# KiCad board motordriver.kicad_pcb (continued)
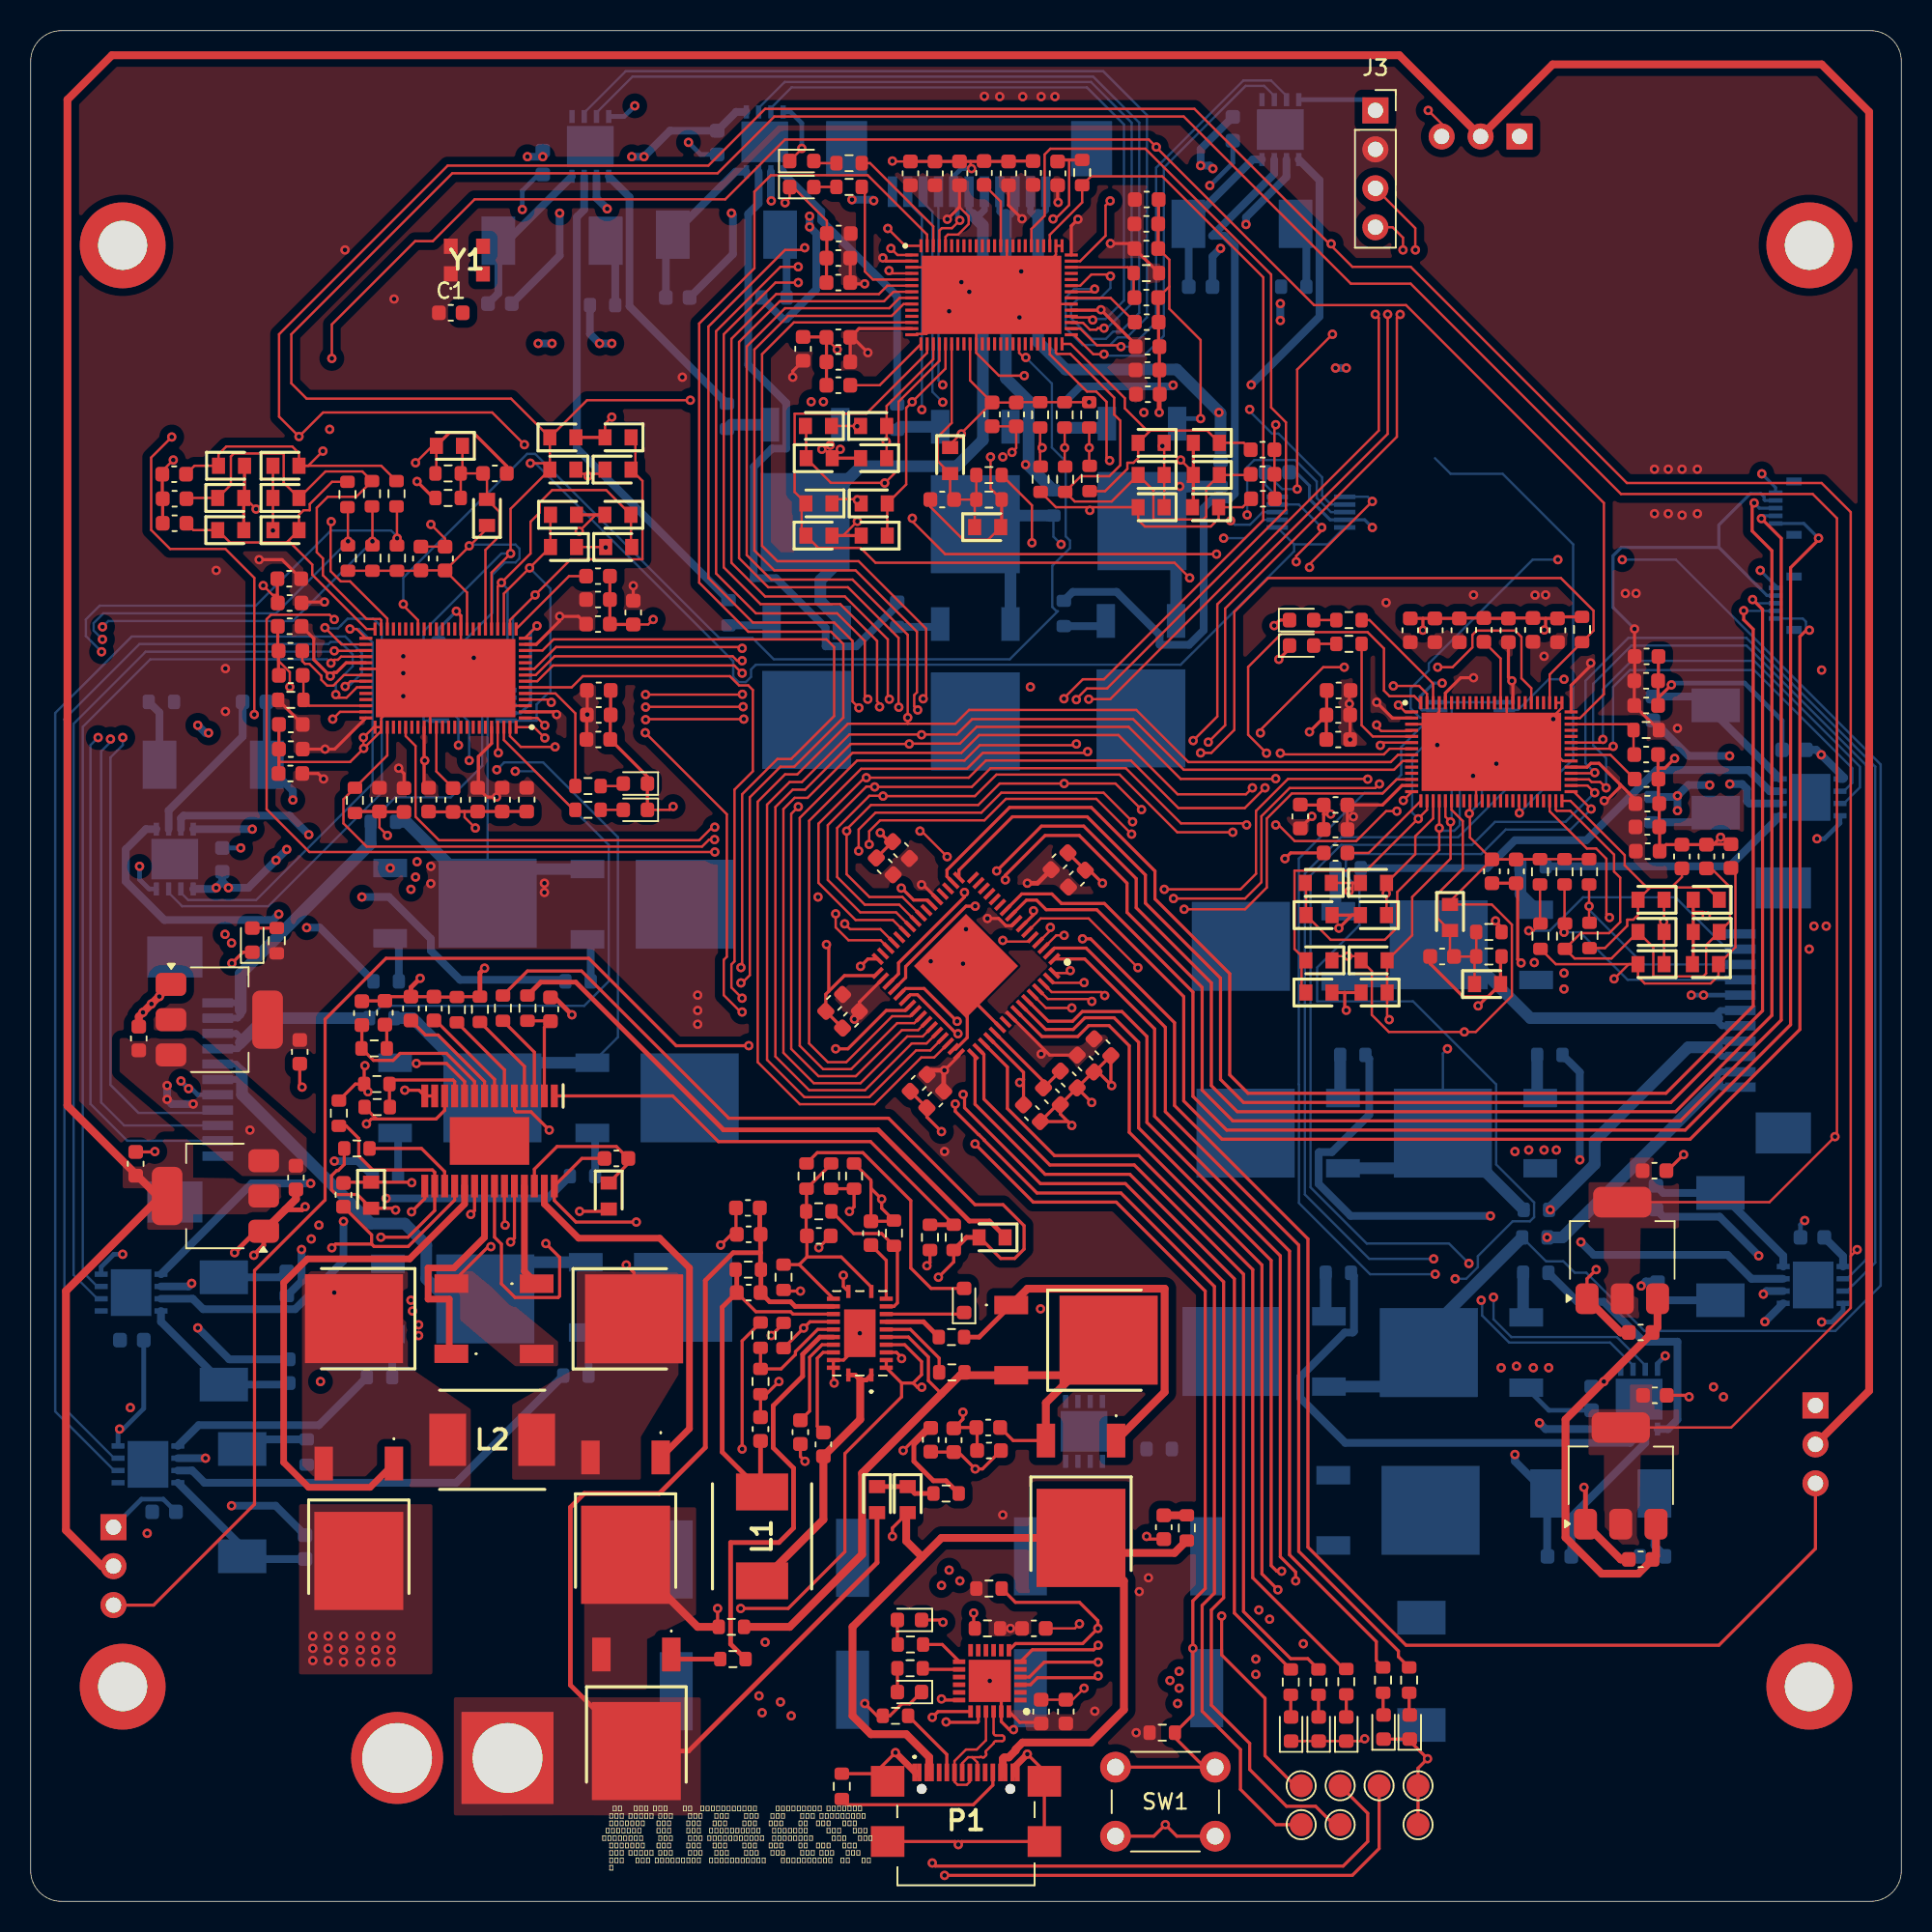
[diagram p0: board, top side]
## Routing (per net, layer and track width the routed paths; a pad name or vN(x,y) marks a point on that pad's centre or on a via; arc(x,y) is an arc through that point) (continued)
  Bottom w0.152: v1(91.5,41.9) 87.3,41.9 83.1,46.1 83.1,67.04 85.46,69.4 93.1,69.4 97.08,73.38 97.08,77.13 97,77.2 IC16.8
  Bottom w0.432: J5.8 110.2,56.1 110,55.9 110,55.4 110.3,55.1 J5.9
  Bottom w0.762: R111.1 102,48.08 102,49.6 108.1,55.7 110,55.7
/gates3/PHASE_W: length 26.8
  Bottom w0.432: J5.6 110.2,58.1 110,57.9 110,57.4 110.3,57.1 J5.7
  Bottom w0.762: 93.03,62.38 97.81,57.6 110,57.6 ; Q25.3 89.44,59.99
/gates3/PWM_U_H: length 75
  Top w0.152: v1(101.77,71.24) 100.64,72.37
  In2.Cu w0.152: v1(94.6,39.2) 94.3,39.5 94,39.5 v1(92.9,40.6)
  Bottom w0.152: v1(101.77,71.24) 100.43,69.9 96.2,69.9 94.6,68.3 86.21,68.3 85.77,67.86 85.77,66.9 86.66,66.02 86.66,63.66 83.9,60.9 83.9,58.69 90.16,58.69 95.58,53.28 95.58,48.05 98.05,45.58 98.05,44.62 97.78,44.35 96.65,44.35 94.38,42.08 94.38,41.36 93.62,40.6 v1(92.9,40.6) ; v1(94.6,39.2) 94.66,39.14 94.66,38.2 96.42,36.45 103,36.45 104.5,34.95
/gates3/PWM_U_L: length 70.7
  Top w0.152: U8.40 101.53,72.77 v1(102,72.3)
  In2.Cu w0.152: v1(95.4,39.4) 95.4,40 v1(93.8,41.6)
  Bottom w0.152: v1(95.4,39.4) 95.4,37.96 96.56,36.8 103.45,36.8 105.3,34.95 ; v1(102,72.3) 100.1,70.4 95.5,70.4 94,68.9 85.46,68.9 83.47,66.91 83.47,46.57 87.14,42.9 92.5,42.9 v1(93.8,41.6)
/gates3/PWM_V_H: length 65.7
  Top w0.152: U8.41 101.63,73.17 101.8,73 102.36,73 v1(102.74,72.62)
  Bottom w0.152: v1(102.74,72.62) 102.74,74.56 101.9,75.4 101.9,79.4 104.4,81.9 111.9,81.9 119.7,74.1 119.7,41.85 118.45,40.6
/gates3/PWM_V_L: length 66.3
  Top w0.152: v1(102.01,73.61) 101.96,73.57 U8.42
  Bottom w0.152: 118.45,39.8 120.3,41.65 120.3,74 111.9,82.4 104.2,82.4 101.4,79.6 101.4,74.22 v1(102.01,73.61)
/gates3/PWM_W_H: length 27.1
  Top w0.152: v1(103.21,75.32) 103.05,75.17 U8.46
  Bottom w0.152: 118.25,72.4 118.8,72.95 118.8,73.9 112.4,80.3 104.3,80.3 103.2,79.2 103.2,75.33 v1(103.21,75.32)
/gates3/PWM_W_L: length 28.6
  Top w0.152: v1(102.54,75.78) 102.33,75.57 U8.47
  Bottom w0.152: v1(102.54,75.78) 102.54,79.04 104.4,80.9 112.4,80.9 119.3,74 119.3,72.65 118.25,71.6
/IO/BATTVIN: length 77.9
  Top w0.305: IC5.15 49.86,38.8 49.56,39.1 48.2,39.1 C25.2 ; 47.6,42.3 47.6,41.22 ; 47.6,42.3 45.81,42.3 44,40.49 44,29.6 41,26.6 36.1,26.6 35.2,25.7 35.2,14.1 Q9.2 42.91,9.8 55.2,22.09 D4.2 ; 47.6,42.3 C29.1 ; R27.1 47.62,39.72 ; C27.1 47.55,43.55
/IO/BRAKE1: length 88.9
  Top w0.203: v1(46.83,55.81) 46.83,55.8 42.1,55.8 36.4,61.5 23.17,61.5 19.2,57.53 19.2,45.74 14.6,41.14 14.6,25.9 8.02,19.32 S1.3 ; IC7.39 57.04,58.1 55.8,58.1 53.3,55.6 v1(52.5,55.6)
  In2.Cu w0.203: v1(52.5,55.6) 52.29,55.81 v1(46.83,55.81)
/IO/BRAKE2: length 97.5
  Top w0.152: S2.3 92.02,115.92 v1(91.14,116.8) ; IC7.40 57.37,57.72 56.18,57.72 53.19,54.73 51.99,54.73 50.77,55.95 50.77,70.47 54.16,73.86 61.06,73.86 62.1,74.9 68.85,74.9 v1(68.93,74.98) ; v1(87.69,103.5) 87.92,103.27 87.92,95.92 70.4,78.4 v1(69,78.4)
  In1.Cu w0.152: v1(91.14,116.8) 89.2,114.86 89.2,108.9 88.9,108.6 88.9,104.72 87.69,103.51 v1(87.69,103.5)
  In2.Cu w0.152: v1(69,78.4) 69,78.4 69,75.05 v1(68.93,74.98)
/IO/BRAKE3: length 106
  Top w0.203: IC7.32 54.6,61.46 v1(54.12,60.98) ; S3.3 116.4,23 110.1,16.7 89.7,16.7 83.3,23.1 83.3,43.2 74.6,51.9 74.6,57.3 69.13,62.77 v1(68.6,62.77)
  In1.Cu w0.203: v1(54.12,60.98) 55.06,61.91 60.9,61.91 61.81,61 66.82,61 v1(68.6,62.77)
/IO/D+: length 7.8
  Top w0.152: 61.4,9.4 61.75,9.05 P1.B6 ; 61.4,9.4 61.14,9.4 60.75,9.01 P1.A6 ; 61.4,9.4 61.9,9.4 arc(61.97,9.43) 62.04,9.4 arc(62.11,9.37) 62.18,9.4 62.3,9.52 arc(62.33,9.59) 62.3,9.66 arc(62.27,9.73) 62.3,9.8 62.8,10.3 arc(62.84,10.4) 62.95,10.45 63.36,10.45 arc(63.46,10.49) 63.5,10.6 63.5,10.67 arc(63.46,10.77) 63.36,10.82 62.95,10.82 arc(62.84,10.86) 62.8,10.97 U6.22
/IO/D-: length 7.6
  Top w0.152: P1.A7 61.25,7.8 61.05,7.6 60.45,7.6 60.25,7.8 P1.B7 60.25,9.15 61,9.9 61.7,9.9 62.3,10.5 U6.21
/IO/DBG_RESETN: length 38.9
  Top w0.203: v1(59.4,13.2) 59.47,13.13 U6.18 ; v1(77.67,18.61) 77.67,16.07 80.5,13.24 80.5,9.5 82.46,7.54 TP4.1 ; v1(61.5,18.8) 61.5,17.88
  In2.Cu w0.203: v1(59.4,13.2) 59.4,14.8 61.5,16.9 v1(61.5,18.8) 62.2,19.5 76.78,19.5 v1(77.67,18.61)
/IO/DBG_SWCLK: length 45.7
  Top w0.203: TP5.1 87.2,5.74 87.2,3.9 85.6,2.3 59,2.3 v1(58.8,2.5) ; U6.19 59.18,12.38 v1(58.8,12)
  In2.Cu w0.203: v1(58.8,12) v1(58.8,2.5)
/IO/DBG_SWDIO: length 46
  Top w0.203: U6.20 61.8,11.72 61.75,11.68 59.72,11.68 v1(59.7,11.7) ; TP6.1 87.94,3.44 86.19,1.69 v1(59.6,1.69)
  In2.Cu w0.203: v1(59.7,11.7) 59.7,1.79 v1(59.6,1.69)
/IO/INT_IMU1: length 94.5
  Top w0.203: v1(116.01,82.9) 115.8,82.9 115.39,82.49 115.39,56.86 108.22,49.7 77.7,49.7 75.2,52.2 75.2,59 69.53,64.67 66.23,64.67 65.6,65.3 64.94,65.3 IC7.9
  Bottom w0.152: J1.5 115.57,83.66 115.78,83.46 115.78,82.9 v1(116.01,82.9)
/IO/INT_IMU2: length 100.5
  Top w0.203: v1(116.6,88.9) 116.6,88.8 114.78,86.98 114.78,57.17 107.91,50.3 78,50.3 75.8,52.5 75.8,59.3 70.02,65.08 67.22,65.08 66.6,65.7 64.64,65.7 IC7.10
  Bottom w0.203: v1(116.6,88.9) 115.64,89.86 J2.5
/IO/OLED_SCL: length 78.1
  Top w0.152: IC7.30 55.43,62.68 53.34,62.68 52.5,63.52 v1(52.5,64.4) ; v1(54,68.5) 54,69.9 55.1,71 62,71 63.3,72.3 69.97,72.3 v1(71.86,70.41) ; v1(88.5,103.5) 88.5,95.7 77.39,84.59 77.39,77.27 v1(75.82,75.7) ; J3.4 88.82,109.18 89.5,108.5 v1(89.5,107.7)
  In1.Cu w0.152: v1(89.5,107.7) 89.5,104.5 v1(88.5,103.5)
  In2.Cu w0.152: v1(52.5,64.4) 52.5,67 v1(54,68.5) ; v1(71.86,70.41) 71.86,71.56 75.82,75.52 v1(75.82,75.7)
/IO/OLED_SDA: length 80.9
  Top w0.152: J3.3 90.3,109.12 90.3,107.71 v1(90.31,107.7) ; v1(76.8,75.6) 77.9,76.7 77.9,84.31 89.1,95.51 89.1,103.28 v1(89.32,103.49) ; v1(54.69,68.93) 54.69,69.79 55.4,70.5 62.2,70.5 63.6,71.9 69.5,71.9 v1(71.8,69.6) ; v1(53.09,63.75) 53.44,63.4 55.42,63.4 IC7.29
  In1.Cu w0.152: v1(89.32,103.49) 90.3,104.48 90.3,107.69 v1(90.31,107.7)
  In2.Cu w0.152: v1(71.8,69.6) 71.88,69.6 73.03,70.75 73.03,71.23 76.12,74.32 76.54,74.32 77.23,75.01 77.23,75.17 v1(76.8,75.6) ; v1(54.69,68.93) 54.69,68.29 53.09,66.69 v1(53.09,63.75)
/IO/RESETN: length 81.7
  Top w0.203: v1(64.5,53.4) 64.55,53.4 64.75,53.6 ; C81.1 64.75,53.6 ; 64.75,53.6 64.75,54.07 IC7.52 ; v1(69.62,15.6) 66.11,15.6 65.13,14.63 U6.4 ; v1(61.59,49.4) 65.38,45.6 70.8,45.6 76.6,39.8 76.6,20.4 75.79,19.59 75.79,12.17 R42.2 74.62,10.68 76.55,8.75 SW1.1 SW1.1
  In2.Cu w0.203: v1(75.79,16.5) 73.7,16.5 73,15.8 69.82,15.8 v1(69.62,15.6) ; v1(61.59,49.4) 61.59,49.49 64.5,52.4 v1(64.5,53.4)
/IO/RX: length 71.9
  Top w0.203: TP1.1 81.2,5 78.9,7.3 78.9,9.9 76.4,12.4 76.4,19.3 77.2,20.1 77.2,40.1 71.1,46.2 65.63,46.2 62.19,49.63 62.19,49.65 61.84,50 61.82,50 60.3,51.52 v1(60.3,52) ; IC7.37 57.06,59.53 58.27,59.53 60.41,57.39 v1(60.43,57.39)
  In2.Cu w0.203: v1(60.3,52) 60.2,52.1 60.2,54.45 59.8,54.85 59.8,56.77 v1(60.43,57.39)
/IO/SCL_IMU1: length 98.4
  Top w0.203: IC7.18 59.76,66.84 59.76,67.26 63.84,71.34 69.17,71.34 73.32,67.19 73.32,65.38 78.2,60.5 78.2,53.9 79.4,52.7 106.65,52.7 112.34,58.39 112.34,82.96 111.72,83.58 v1(111.72,84.18)
  Bottom w0.152: J1.4 111.73,84.16 v1(111.72,84.18)
/IO/SCL_IMU2: length 112.3
  Top w0.203: v1(112.87,90.18) 114.17,88.89 114.17,57.47 107.59,50.9 78.4,50.9 76.4,52.9 76.4,59.6 71.5,64.5 71.5,66.4 68.39,69.51 66.16,69.51 63.56,66.92 v1(63.56,66.62) ; IC7.36 57.06,60.25 57.06,60.96 61,64.9 v1(61.6,64.9)
  In1.Cu w0.203: v1(61.6,64.9) 63.32,66.62 v1(63.56,66.62)
  Bottom w0.203: J2.4 113.05,90.36 v1(112.87,90.18)
/IO/SDA_IMU1: length 98.2
  Top w0.203: IC7.17 60.54,67.25 64.03,70.73 68.9,70.73 72.7,66.94 72.7,65.1 77.6,60.2 77.6,53.6 79.1,52.1 106.96,52.1 112.95,58.08 112.95,84.25 v1(112.3,84.9)
  Bottom w0.152: v1(112.3,84.9) 112.54,84.66 J1.3
/IO/SDA_IMU2: length 113.4
  Top w0.203: v1(112.4,91.2) 112.27,91.07 112.27,89.37 113.56,88.09 113.56,57.78 107.28,51.5 78.7,51.5 77,53.2 77,59.9 72.1,64.8 72.1,66.7 68.68,70.12 65.92,70.12 v1(63,67.2) ; IC7.35 56.6,60.49 56.6,61.2 60.9,65.5 v1(60.9,65.8)
  In1.Cu w0.203: v1(63,67.2) 61.68,65.88 60.98,65.88 v1(60.9,65.8)
  Bottom w0.203: v1(112.4,91.2) 112.74,90.86 J2.3
/IO/TX: length 71.4
  Top w0.203: v1(60.48,56.58) 60.42,56.64 60.32,56.64 57.83,59.13 57.36,59.13 IC7.38 ; 85,5 83.8,6.2 81.9,6.2 79.5,8.6 79.5,10.3 77,12.8 77,19 77.8,19.8 77.8,40.4 71.39,46.81 65.86,46.81 60.91,51.75 60.91,52.53 v1(60.82,52.63)
  In2.Cu w0.203: v1(60.82,52.63) 60.8,52.64 60.8,56.26 v1(60.48,56.58)
/IO/USBVIN: length 85.2
  Top w0.203: v1(46.4,29.5) 46.4,36.55 R14.2 ; D5.2 56.2,24.35 v1(56.2,23.8)
  Top w0.508: 58.6,8.4 58.6,9.4 57.1,10.9 54.8,10.9 53.6,12.1 53.6,17.9 59.4,23.7 Q7.2 71.3,20.9 71.3,12.5 69.16,10.36 64.69,10.36 64.24,9.91 64.24,9.84 63.79,9.39 63.49,9.39 63.4,9.29 63.4,8.3 ; 69.48,22.72 74.6,22.72 R13.2 ; 58.15,22.45 57.1,23.5 57.1,25.25
  In1.Cu w0.203: v1(56.2,23.8) 52.1,23.8 v1(46.4,29.5)
/microcontrollers/ERRLED: length 58.2
  Top w0.203: IC7.2 66.76,62.17 68.83,62.17 74,57 74,51.5 82.7,42.8 82.7,22.82 89.2,16.32 89.2,15.96 R55.2
/microcontrollers/PROCLED: length 56.2
  Top w0.203: IC7.1 68.74,61.46 73.3,56.9 73.3,51.2 82.1,42.4 82.1,22.6 87.76,16.94 87.76,15.69 R56.2
/microcontrollers/SERVO1_CS: length 69.3
  Top w0.152: v1(67.8,60.7) 67.64,60.54 IC7.64 ; U5.6 55.87,105.37 55.32,104.82 48.62,104.82 45.7,101.9 45.7,87.3 47.9,85.1 53.1,85.1 55.9,82.3 55.9,78.5 v1(56,78.4)
  In2.Cu w0.152: v1(56,78.4) 56.04,78.36 56.04,74.36 56.4,74 56.4,69.9 59.92,66.38 61.14,66.38 64.92,62.6 66.5,62.6 67.8,61.3 v1(67.8,60.7)
/microcontrollers/SERVO1_DB_CS: length 104.5
  Top w0.152: v1(46.32,59.9) 46.4,59.9 46.9,60.4 46.9,72 48.9,74 49.8,74 53,77.2 53,82 52.2,82.8 46.8,82.8 43.6,86 43.6,102.9 47.2,106.5 47.2,111.5 48.27,112.57 54.59,112.57 58.47,108.7 U5.75 ; IC7.3 66.89,63 v1(67.4,63)
  In2.Cu w0.152: v1(67.4,63) 68.38,62.02 68.38,60.46 67.72,59.8 46.42,59.8 v1(46.32,59.9)
/microcontrollers/SERVO1_PWM_I: length 107
  Top w0.152: IC7.41 57.63,57.27 56.51,57.27 53.51,54.27 51.68,54.27 50.16,55.8 50.16,70.66 53.9,74.4 60.9,74.4 61.9,75.4 68.12,75.4 v1(68.2,75.48) ; v1(68.2,78.37) 68.2,78.41 68.88,79.1 70.2,79.1 81.87,90.77 81.87,96.46 80.9,97.42 80.9,106.1 72.7,114.3 66.5,114.3 66.13,113.93 66.13,109.93 65.26,109.06 U5.58
  In2.Cu w0.152: v1(68.2,75.48) 68.3,75.58 68.3,78.27 v1(68.2,78.37)
/microcontrollers/SERVO1_STATUS: length 63.1
  Top w0.152: v1(58,69.8) 58.1,69.8 v1(59.77,68.13) ; v1(66.5,63.52) 66.5,63.32 IC7.4 ; v1(58.21,78.43) 58.4,78.62 58.4,83 54,87.4 48.7,87.4 47.7,88.4 47.7,100.9 49.77,102.97 U5.12
  In2.Cu w0.152: v1(58,69.8) 57,70.8 57,74.16 58.68,75.84 58.68,77.95 v1(58.21,78.43) ; v1(59.77,68.13) 60.27,68.13 64.88,63.52 v1(66.5,63.52)
/microcontrollers/SERVO2_CS: length 61.6
  Top w0.152: IC7.63 66.69,59.91 68.69,59.91 v1(68.7,59.92) ; v1(46.4,58.9) 45.7,59.6 45.7,61.1 45.9,61.3 45.9,72.5 47.1,73.7 47.1,79 46.8,79.3 46.2,79.3 45.6,79.9 36.01,79.9 35.28,79.17 U7.6
  In2.Cu w0.152: v1(46.4,58.9) 67.68,58.9 v1(68.7,59.92)
/microcontrollers/SERVO2_DB_CS: length 55.9
  Top w0.152: v1(67.9,58.26) 66.21,58.26 IC7.60 ; U7.75 31.26,75.99 31.96,75.29 v1(34.2,75.29) ; v1(40.08,76.22) 45.4,70.9 45.4,61.6 45.2,61.4 45.2,59.1 46.3,58 v1(46.4,58)
  In2.Cu w0.152: v1(34.2,75.29) 39.16,75.29 v1(40.08,76.22) ; 68.1,58.4 46.8,58.4 v1(46.4,58)
/microcontrollers/SERVO2_PWM_I: length 59.7
  Top w0.152: IC7.42 57.88,56.82 56.82,56.82 53.82,53.82 51.38,53.82 49.6,55.59 49.6,70.92 v1(50.06,71.39) ; v1(44.61,70.05) 44.45,70.05 43.6,69.2 26.63,69.2 25.1,70.73 25.1,75.35 24.46,75.99 U7.58
  In2.Cu w0.152: v1(44.61,70.05) 44.77,69.9 48.58,69.9 v1(50.06,71.39)
/microcontrollers/SERVO2_STATUS: length 65.7
  Top w0.152: v1(63.4,62.67) 63.48,62.59 65.07,62.59 IC7.5 ; v1(46.32,60.9) 46.4,60.98 46.4,72.2 48.7,74.5 49.6,74.5 52.4,77.3 52.4,81.8 51.9,82.3 34.1,82.3 33.38,81.58 U7.12
  In2.Cu w0.152: v1(63.4,62.67) 63.4,61.4 62.4,60.4 46.82,60.4 v1(46.32,60.9)
/microcontrollers/SERVO3_CS: length 36.2
  Top w0.152: IC7.62 66.59,59.3 69.82,59.3 v1(70.05,59.07) ; v1(88.02,75.39) 88.2,75.57 U8.6 ; v1(74.53,65.4) 79.2,65.4 80.27,66.47 80.27,70.77 82.11,72.6 87.69,72.6 v1(87.96,72.87)
  In2.Cu w0.152: v1(88.02,75.39) 88.02,72.93 v1(87.96,72.87) ; v1(70.05,59.07) 70.05,59.55 74.53,64.03 v1(74.53,65.4)
/microcontrollers/SERVO3_DB_CS: length 41.7
  Top w0.152: v1(88.87,79.27) 90.55,79.27 91.06,78.75 U8.75 ; v1(73.93,66) 78.9,66 79.91,67.01 79.91,71.11 82,73.2 87.18,73.2 v1(87.2,73.18) ; IC7.61 66.34,58.85 69.06,58.85 v1(69.21,58.69)
  In2.Cu w0.152: v1(73.93,66) 73.95,65.98 73.95,64.55 69.28,59.88 69.28,59.68 69.21,59.61 v1(69.21,58.69) ; v1(87.2,73.18) 87.3,73.28 87.3,75.49 87.78,75.97 88.07,75.97 88.36,76.26 88.36,78.76 v1(88.87,79.27)
/microcontrollers/SERVO3_PWM_I: length 91.2
  Top w0.152: U8.58 97.87,79.12 97.22,79.76 97.22,82.46 96.81,82.87 94.3,82.87 94.02,82.59 94.02,81.78 92.73,80.49 v1(91.76,80.49) ; v1(80.2,76.2) 80.2,76.39 84.3,80.49 v1(85.67,80.49) ; IC7.43 58.17,56.4 57.17,56.4 54.12,53.36 51.07,53.36 49.09,55.34 49.09,71.24 49.82,71.97 50.67,71.97 53.6,74.9 60.7,74.9 61.86,76.06 70.94,76.06 74.8,72.2 79.26,72.2 v1(79.68,72.62)
  In1.Cu w0.152: v1(85.67,80.49) v1(91.76,80.49)
  In2.Cu w0.152: v1(79.68,72.62) 79.68,75.34 80.2,75.86 v1(80.2,76.2)
/microcontrollers/SERVO3_STATUS: length 35
  Top w0.152: IC7.6 65.87,64.1 69,64.1 v1(72.21,60.89) ; v1(75.22,64.7) 79.2,64.7 80.62,66.12 80.62,70.62 82.25,72.25 88.16,72.25 89.08,73.17 U8.12
  In2.Cu w0.152: v1(72.21,60.89) 72.29,60.89 75.22,63.82 v1(75.22,64.7)
/microcontrollers/STATUS1: length 51.7
  Top w0.203: R57.2 78.5,18.81 78.5,40.6 71.68,47.42 66.16,47.42 61.59,51.99 61.59,55.11
/microcontrollers/STATUS2: length 53.5
  Top w0.203: IC7.50 62.17,55.24 62.17,52.32 66.47,48.02 71.98,48.02 79.1,40.9 79.1,18.9 82.17,15.83 83.29,15.83 R58.2
/microcontrollers/STATUS3: length 53.7
  Top w0.203: 85.65,15.15 79.7,21.1 79.7,41.2 72.27,48.63 66.77,48.63 63.7,51.7 63.7,54.41 IC7.51
/motorIO/HALL_A1: length 14
  Top w0.152: R89.2 101.63,63.85
  Bottom w0.152: v1(101.63,64.9) 101.63,64.67 105.21,61.1 J5.3
/motorIO/HALL_A2: length 61.5
  Top w0.152: 20.69,88.42 20.69,90.9
  In2.Cu w0.152: v1(5.2,75.8) 5.2,81.78 v1(4.68,82.3)
  Bottom w0.152: v1(4.68,82.3) 4.1,82.88 4.1,83.36 4.74,84 16,84 v1(20.7,88.7) ; J6.3 6.1,50.6 4.6,52.1 4.6,75 5.2,75.6 5.2,75.8 v1(5.2,75.8)
/motorIO/HALL_A3: length 27.3
  Top w0.152: R43.2 69.03,93.65
  In1.Cu w0.152: v1(69.03,94.8) 69.03,94.87 65.61,98.29 60,98.29 v1(59.48,97.77)
  Bottom w0.152: 58.2,110.81 58.81,110.19 58.81,98.44 v1(59.48,97.77)
/motorIO/HALL_B1: length 15.8
  Top w0.152: R90.2 100.03,63.8 ; v1(100,63.2) 100,63.7
  Bottom w0.152: J5.4 104.15,60.1 101.05,63.2 v1(100,63.2)
/motorIO/HALL_B2: length 60.8
  Top w0.152: 22.29,88.42 22.29,90.94
  In2.Cu w0.152: v1(6.01,75.9) 6.01,81.8 v1(4.69,83.12)
  Bottom w0.152: v1(6.01,75.9) 6.01,75.41 5.2,74.6 5.2,53.25 7.03,51.42 12.02,51.42 ; v1(22.29,88.7) 22.29,88.69 17.1,83.5 5.07,83.5 v1(4.69,83.12)
/motorIO/HALL_B3: length 27.1
  Top w0.152: R44.2 67.44,93.6
  In1.Cu w0.152: v1(59.48,98.9) 58.9,98.32 58.9,97.5 59.21,97.19 59.72,97.19 60.14,97.6 65,97.6 67.44,95.16 v1(67.44,94.8)
  Bottom w0.152: v1(59.48,98.9) 59.2,99.18 J7.4
/motorIO/HALL_C1: length 18.7
  Top w0.152: v1(97.7,63.3) 98,63.3 R92.1 ; R91.2 98.44,63.8
  Bottom w0.152: 110.64,62.1 107.26,65.48 101.24,65.48 99.06,63.3 v1(97.7,63.3)
/motorIO/HALL_C2: length 67.1
  Top w0.152: 23.89,88.42 23.89,90.94
  In2.Cu w0.152: v1(4.62,81.49) 4.4,81.27 v1(4.4,75.9)
  Bottom w0.152: J6.2 6.3,49.6 3.9,52 3.9,75.4 v1(4.4,75.9) ; v1(4.62,81.49) 3.6,82.52 3.6,83.6 4.5,84.5 14.68,84.5 19.58,89.4 23.51,89.4 23.9,89.01 v1(23.9,88.9)
/motorIO/HALL_C3: length 26.3
  Top w0.152: 65.84,94.5 65.84,94.67 v1(65.97,94.8) 65.84,94.93 65.84,95.1 ; 65.84,94.5 65.84,95.1 ; 65.84,94.5 65.84,93.6 ; 65.84,95.1 R45.2
  In1.Cu w0.152: v1(65.97,94.8) 65.97,94.93 64.4,96.5 58.5,96.5 58.12,96.88 v1(58.12,97.28)
  Bottom w0.152: v1(58.12,97.28) 58.12,109.88 57.2,110.81
/servo1/ADC_I0_POS: length 60.7
  Top w0.152: 50.28,90.89 50.28,89.35 ; U5.16 58.47,100.99 54.5,97.02 49.82,97.02 49.82,91.91 D11.2 ; D12.1 51.37,88.27 54.13,88.27 55.1,87.3 74.6,87.3 v1(75.59,86.31) ; v1(83.4,87) 83.4,87.2 v1(87.5,91.3)
  In2.Cu w0.152: v1(83.4,87) 83.18,86.78 76.06,86.78 v1(75.59,86.31)
  Bottom w0.152: v1(87.5,91.3) 87.2,91.6 IC4.1
/servo1/ADC_I1_POS: length 54.2
  Top w0.152: v1(84.2,89.6) 84.2,89.4 82.54,87.74 v1(82.54,87.36) ; v1(57.5,90.2) 57.5,90 59.64,87.86 v1(77.34,87.86) ; 50.57,96.17 D14.1 52.19,92.51 55.72,92.51 56.6,93.39 56.6,97.8 59.26,100.47 U5.18
  In2.Cu w0.152: v1(57.5,90.2) 57.5,90.7 v1(55.7,92.5) ; v1(77.34,87.86) 77.84,87.36 v1(82.54,87.36)
  Bottom w0.152: IC4.9 82.7,91.1 v1(84.2,89.6)
/servo1/HALL_U_FILT: length 22
  Top w0.152: 73.03,95.92 76.72,95.92 D25.1 79.12,95.12 C43.2 ; 73.03,95.92 D24.2 72.22,94.12 71.92,93.82 71.52,93.82 71.52,93.42 70.07,91.97 R48.2 ; 73.03,95.92 72.81,95.92 71.36,97.37 71.36,98.03 67.82,101.57 U5.38
/servo1/HALL_V_FILT: length 32.1
  Top w0.152: U5.37 66.87,100.99 66.94,100.92 67.81,100.92 70.66,98.06 70.66,96.96 71.06,96.56 71.06,93.66 70.35,92.94 68.49,92.94 R47.2 68.09,91.29 70.5,91.29 D21.2 73.22,92.02 73.22,90.12 76.48,90.12 76.67,90.31 76.67,92.16 D22.1 79.51,93.02
/servo1/HALL_W_FILT: length 30
  Top w0.152: U5.36 66.47,100.89 68.89,98.46 69.5,98.46 70.16,97.79 70.16,94.16 v1(70.37,93.96) ; C47.2 79.04,90.92 D20.1 77.47,90.17 76.97,89.66 72.66,89.66 72.22,90.1 D19.2 66.87,90.92 R46.2 ; 69.28,90.92 v1(69.07,90.71)
  In1.Cu w0.152: v1(69.07,90.71) 70.37,92 v1(70.37,93.96)
/servo2/ADC_I0_POS: length 25.5
  Top w0.152: 39.44,93.66 39.44,95.19 ; D36.2 39.9,92.63 39.9,87.52 35.23,87.52 31.26,83.56 U7.16
  Bottom w0.152: IC11.1 31.45,79.45 31.45,83.75 v1(32.9,85.2)
/servo2/ADC_I1_POS: length 28.4
  Top w0.152: U7.18 30.46,85.76 32.6,87.9 32.6,89.97 33.2,90.57 33.2,91.23 34.01,92.04 37.54,92.04 D39.1 39.15,88.38
  Bottom w0.152: IC11.9 27.5,78.5 31.1,82.1 31.1,85.6 v1(30.7,86)
/servo2/HALL_U_FILT: length 22
  Top w0.152: R69.2 19.65,92.58 18.2,91.12 18.2,90.72 17.8,90.72 17.5,90.42 D49.2 16.7,88.62 ; 16.7,88.62 13,88.62 D50.1 10.61,89.42 C87.2 ; 16.7,88.62 16.92,88.62 18.37,87.18 18.37,86.52 21.91,82.97 U7.38
/servo2/HALL_V_FILT: length 32.1
  Top w0.152: 10.21,91.53 D47.1 13.06,92.38 13.06,94.23 13.25,94.43 16.5,94.43 16.5,92.52 D46.2 19.23,93.25 21.63,93.25 R68.2 21.24,91.6 19.38,91.6 18.66,90.88 18.66,87.98 19.06,87.58 19.06,86.48 21.91,83.63 22.79,83.63 22.86,83.56 U7.37
/servo2/HALL_W_FILT: length 32
  Top w0.152: v1(19.06,94.58) 18.1,93.62 D44.2 ; v1(19.6,89.98) 19.56,89.94 19.56,86.75 20.23,86.08 20.83,86.08 23.26,83.66 U7.36 ; D44.2 22.86,93.62 R67.2 ; D44.2 17.5,94.44 17.06,94.88 12.76,94.88 12.25,94.37 D45.1 10.68,93.62 C91.2
  In1.Cu w0.152: v1(19.06,94.58) 19.06,90.52 v1(19.6,89.98)
/servo3/ADC_I0_POS: length 25
  Top w0.152: U8.16 91.06,71.19 87.1,67.22 82.42,67.22 82.42,62.11 D58.2 ; 82.88,61.09 82.88,59.55
  Bottom w0.152: IC16.1 90.1,74.6 90.1,71 v1(90.5,70.6)
/servo3/ADC_I1_POS: length 28.2
  Top w0.152: 83.18,66.37 D61.1 84.79,62.71 88.32,62.71 89.13,63.52 89.13,65.83 91.87,68.56 U8.18
  Bottom w0.152: v1(91.87,70) 92.04,69.82 92.84,69.82 93.2,70.18 93.2,74.7 95.2,76.7 IC16.9
/servo3/HALL_U_FILT: length 21.3
  Top w0.152: R94.2 102.67,62.17 104.12,63.62 104.12,64.02 104.52,64.02 104.82,64.32 D71.2 105.63,66.12 ; 107,66.12 109.32,66.12 D72.1 ; 107,66.12 105.63,66.12 ; 107,66.12 107.69,66.81 C124.2 ; 105.63,66.12 105.41,66.12 103.96,67.57 103.96,68.23 100.42,71.77 U8.38
/servo3/HALL_V_FILT: length 35.1
  Top w0.152: 109.61,67.37 110.83,66.15 110.83,63.92 D69.1 109.27,62.36 109.27,60.51 109.08,60.32 105.82,60.32 105.82,62.22 D68.2 103.1,61.49 100.69,61.49 R93.2 101.09,63.14 102.95,63.14 103.66,63.86 103.66,66.76 103.26,67.16 103.26,68.26 100.41,71.12 99.54,71.12 99.47,71.19 U8.37
/servo3/HALL_W_FILT: length 36.1
  Top w0.152: v1(103.26,60.16) 104.22,61.12 D66.2 ; U8.36 99.06,71.09 101.49,68.66 102.1,68.66 102.76,67.99 102.76,64.36 v1(102.97,64.16) ; R92.2 99.47,61.12 D66.2 ; 111.18,67.1 111.18,62.22 D67.1 110.07,60.37 109.56,59.86 105.26,59.86 104.82,60.3 D66.2
  In1.Cu w0.152: v1(102.97,64.16) 102.97,62.56 103.26,62.26 v1(103.26,60.16)
/voltageregulators/BOOT1: length 10
  Top w0.203: 38.97,48.12 D10.1 ; IC6.26 32.85,47.75 34.33,49.23 38.2,49.23 C35.1
/voltageregulators/COMP: length 11.1
  Top w0.203: R37.2 22.35,54.85 23.64,54.85 24.09,55.3 27.12,55.3 28.95,53.47 IC6.9 ; C33.2 21.6,55.65
/voltageregulators/HDRV1: length 25.5
  Top w0.432: IC6.27 33.5,45.48 35.73,43.25 41.03,43.25 42.97,41.31 42.97,30.83 Q10.1
/voltageregulators/HDRV2: length 35.3
  Top w0.432: IC6.19 28.3,45.48 24.72,41.9 18.05,41.9 16.5,40.35 16.5,28.63 18.13,27 22.14,27 Q12.1
/voltageregulators/IC5_VREF: length 16.5
  Top w0.203: 50.62,42.03 52.86,42.03 54.82,40.06 ; 50.62,42.03 50.12,41.53 ; 50.62,42.03 C18.1 ; IC5.14 50.12,41.53 ; 50.12,41.53 R24.2 ; 52.2,48.08 R16.1 50.6,45.03 ; 50.57,45 50.57,43.45
/voltageregulators/LDRV1: length 6.7
  Top w0.432: Q11.1 32.2,41.08 IC6.25
/voltageregulators/LDRV2: length 14.7
  Top w0.432: 27.3,35.84 27.3,39.27 25.92,39.27 25.92,41.31 27.61,41.31 29.6,43.3 IC6.21
/voltageregulators/OVPSET: length 7.3
  Top w0.203: R14.1 47.6,34.72 48.94,34.72 49.88,35.66 49.88,35.85 51.33,37.3 IC5.18
/voltageregulators/PGOOD: length 6.5
  Top w0.203: IC6.17 27,47.59 25.49,49.1 R36.2
/voltageregulators/RT: length 6.1
  Top w0.203: R38.2 30.9,54.22 IC6.6
/voltageregulators/SLOPE: length 6.5
  Top w0.203: 26.44,57.42 30.25,53.61 IC6.7
/voltageregulators/SS: length 7.4
  Top w0.203: C34.2 25.75,56.5 26.57,56.5 29.6,53.47 IC6.8
/voltageregulators/SW1: length 17.7
  Top w0.203: v1(39.5,44.3) 35.56,44.3 34.15,45.71 IC6.28 35.95,48.45 C35.2 ; Q11.2 39.35,40.99 v1(38.84,41.5)
  In1.Cu w0.203: v1(39.5,44.3) 39.5,42.16 v1(38.84,41.5)
/voltageregulators/SW2: length 28.3
  Top w0.203: 20.45,46.9 22.2,46.9 24.82,46.9 v1(24.85,46.87) ; 22.23,42.87 22.39,42.71 24.62,42.71 27.65,45.73 IC6.18 ; 22.23,42.87 19.89,42.87 v1(19.64,42.62) ; 22.23,42.87 22.23,43.47 20.4,45.3 ; 28.95,46.65 28.95,45.05 v1(28.7,44.8)
  In1.Cu w0.203: v1(28.7,44.8) 28.7,46 27.83,46.87 v1(24.85,46.87) ; v1(19.64,42.62) 19.6,42.58 19.6,39.9 v1(19.8,39.7)
SERVO_CLK: length 169
  Top w0.152: v1(9.2,95.5) 7.86,94.16 7.86,89.44 9.09,88.2 12.7,88.2 14.58,86.32 v1(14.58,77.4) ; v1(70.4,110.9) 70.1,110.6 70.1,108.62 68.45,106.97 U5.51 ; U8.51 101.05,77.17 102.6,78.72 102.6,91.2 89.7,104.1 83.7,104.1 73.41,114.39 v1(73.41,114.41) 72.92,114.9 49.2,114.9 45.3,111 28.95,111 26.23,108.27 25.07,108.27 19.64,102.84 v1(19.64,100.62) ; U7.51 20.17,77.58 v1(19.7,77.1)
  In2.Cu w0.152: v1(19.7,77.1) 19.5,77.3 14.68,77.3 v1(14.58,77.4) ; v1(70.4,110.9) 73.41,113.91 v1(73.41,114.41) ; v1(9.2,95.5) 14.32,100.62 v1(19.64,100.62)
SERVO_ENI: length 180.5
  Top w0.152: v1(76.3,74.9) 77,74.9 78.5,76.4 78.5,84.1 80.7,86.3 99.8,86.3 101.93,84.17 101.93,82.87 R95.1 99.06,80.01 U8.55 ; v1(67.39,78.43) 67.39,78.47 68.62,79.7 70,79.7 80.39,90.09 80.39,105.91 73.8,112.5 69.16,112.5 R49.1 68.57,110.8 66.47,108.69 U5.55 ; 53.21,69.91 53.21,66.99 54.7,65.5 56.85,65.5 IC7.24 ; 53.21,69.91 53.21,69.8 v1(53.22,69.8) ; 53.21,69.91 54.8,71.5 61.8,71.5 63.2,72.9 v1(67.4,72.9) 70.75,72.9 v1(72.45,71.2) ; v1(44.6,69.25) 44.25,69.25 43.79,68.79 21.91,68.79 20.4,70.3 20.4,71.87 R70.1 23.26,74.73 U7.55
  In2.Cu w0.152: v1(72.45,71.2) 72.45,71.45 75.9,74.9 v1(76.3,74.9) ; v1(44.6,69.25) 44.93,69.25 46.98,67.2 50.62,67.2 v1(53.22,69.8) ; v1(67.4,72.9) 67.4,77.9 67.39,77.91 v1(67.39,78.43)
SPI_MISO: length 150.2
  Top w0.152: IC7.45 58.67,55.49 57.74,55.49 54.69,52.44 50.46,52.44 48.02,54.88 48.02,71.52 49.5,73 50.3,73 53.4,76.1 58.08,76.1 v1(58.1,76.08) 58.12,76.1 60.4,76.1 61.4,77.1 71.9,77.1 75.2,73.8 88.91,73.8 89.48,74.37 U8.9 ; U7.9 32.84,80.38 34.27,81.8 46.32,81.8 v1(46.4,81.72) ; v1(57.85,77.7) 57.62,77.92 57.62,78.67 57.8,78.84 57.8,82.8 53.8,86.8 48.5,86.8 47.2,88.1 47.2,101.2 49.4,103.4 56.16,103.4 56.93,104.17 U5.9
  In2.Cu w0.152: v1(46.4,81.72) 46.58,81.9 55.5,81.9 57.62,79.78 57.62,78.19 57.85,77.96 v1(57.85,77.7) 57.9,77.65 57.9,76.28 v1(58.1,76.08)
SPI_MOSI: length 151.8
  Top w0.152: U5.8 56.67,104.57 56,103.9 49.2,103.9 46.7,101.4 46.7,87.8 48.3,86.2 53.6,86.2 57.2,82.6 v1(57.2,77.2) 57.2,76.8 ; 57.2,76.8 53.3,76.8 50,73.5 49.2,73.5 47.42,71.72 47.42,54.73 50.16,51.99 55.04,51.99 58.08,55.04 58.92,55.04 IC7.46 ; 57.2,76.8 60.3,76.8 61.2,77.7 72.1,77.7 75.5,74.3 88.7,74.3 89.17,74.77 U8.8 ; v1(46.4,80.91) 46.08,80.91 45.78,81.2 34.16,81.2 32.94,79.97 U7.8
  In2.Cu w0.152: v1(57.2,77.2) 57.2,79.4 55.2,81.4 47.1,81.4 46.61,80.91 v1(46.4,80.91)
SPI_SCK: length 149.9
  Top w0.152: v1(56.62,77.88) 56.6,77.9 56.6,82.4 53.3,85.7 48.1,85.7 46.2,87.6 46.2,101.7 48.85,104.35 55.65,104.35 56.27,104.97 U5.7 ; v1(46.4,80.1) 46.32,80.18 46.3,80.18 45.89,80.6 34.06,80.6 33.04,79.58 U7.7 ; U8.7 88.62,75.17 88.25,74.8 81.58,74.8 v1(81.5,74.88) ; IC7.44 58.42,55.95 57.46,55.95 54.41,52.9 50.77,52.9 48.57,55.1 48.57,71.37 49.7,72.5 50.5,72.5 53.48,75.48 v1(57.3,75.48) 57.32,75.5 60.6,75.5 61.7,76.6 71.6,76.6 75,73.2 81.18,73.2 v1(81.2,73.22)
  In2.Cu w0.152: v1(81.2,73.22) 81.2,73.22 81.2,74.58 v1(81.5,74.88) ; v1(46.4,80.1) 46.63,80.33 46.64,80.33 46.98,80.67 46.98,80.68 47.06,80.76 55.04,80.76 56.62,79.18 v1(56.62,77.88) 56.62,75.97 57.11,75.48 v1(57.3,75.48)
